# Altium PCB SPCB.PcbDoc
Units mm, origin at the board's own origin, x right, y up, seen from the top; angles counter-clockwise.
Board outline 150 x 100 mm, 2 copper layers (Top Layer, Bottom Layer); 65 components, 75 nets, 358 pads, 52 vias.
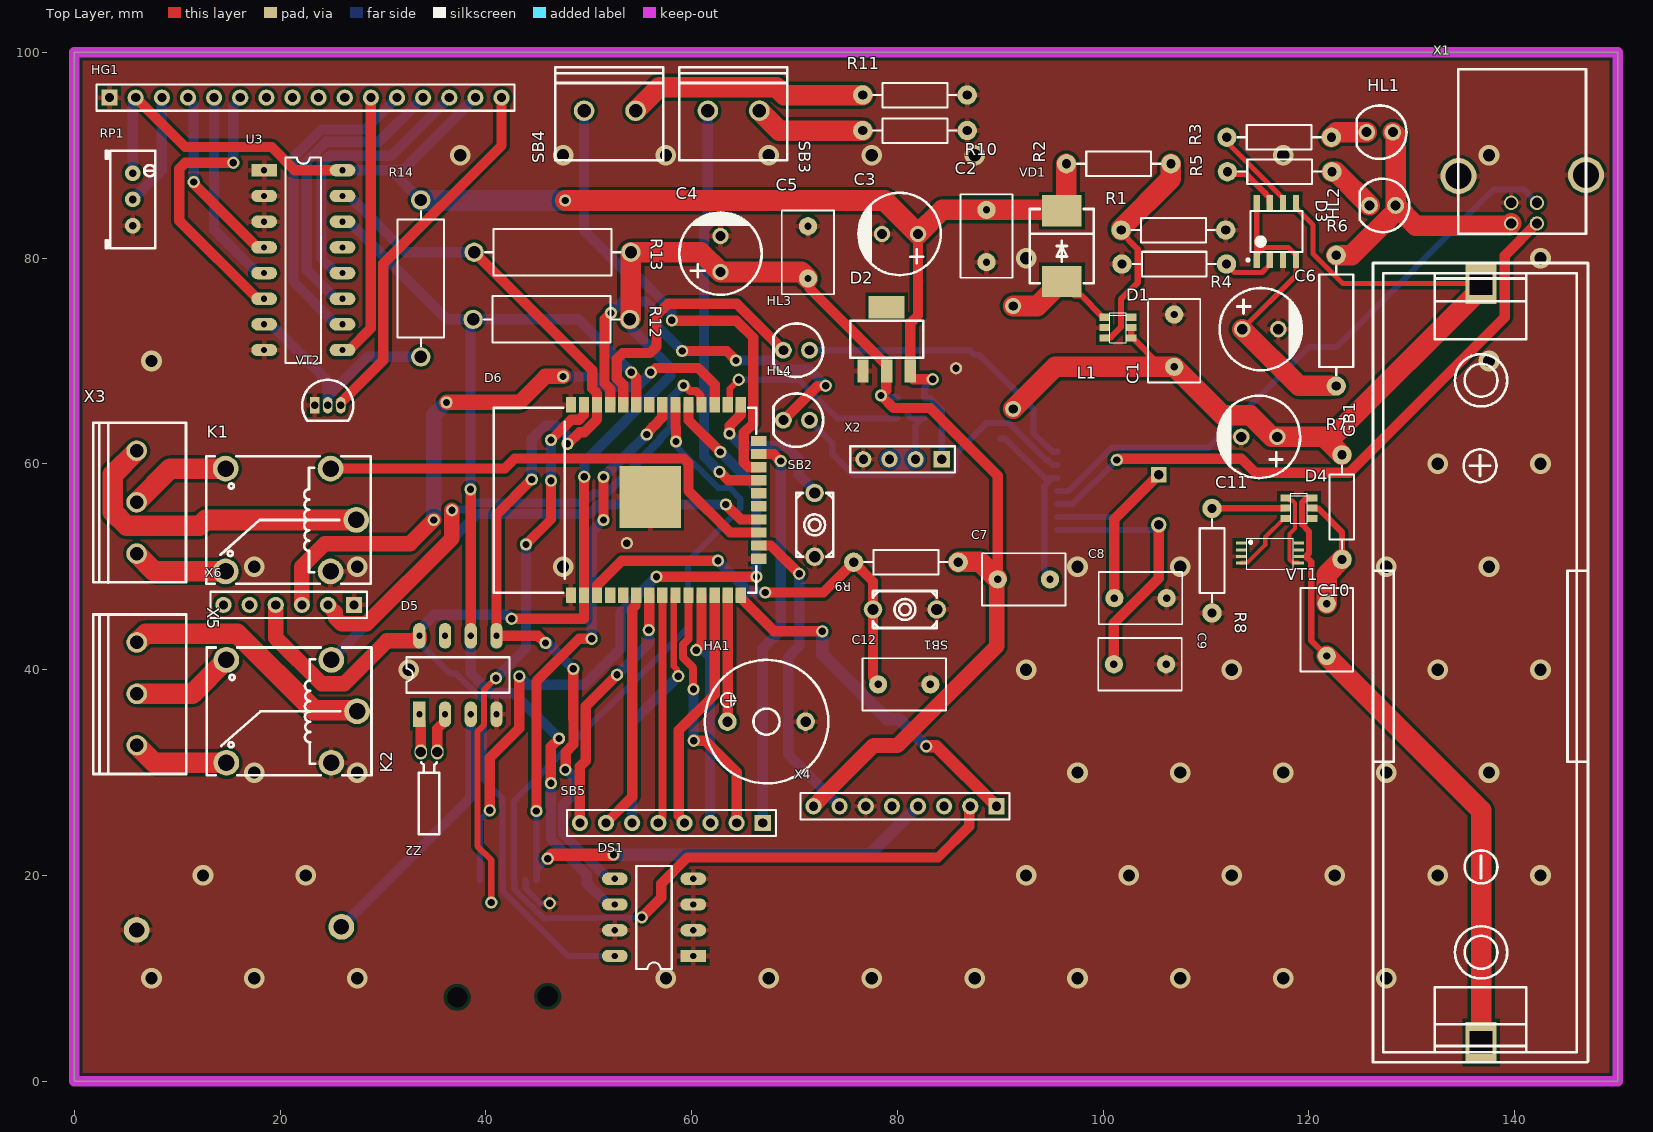
[diagram p0: Top Layer view]
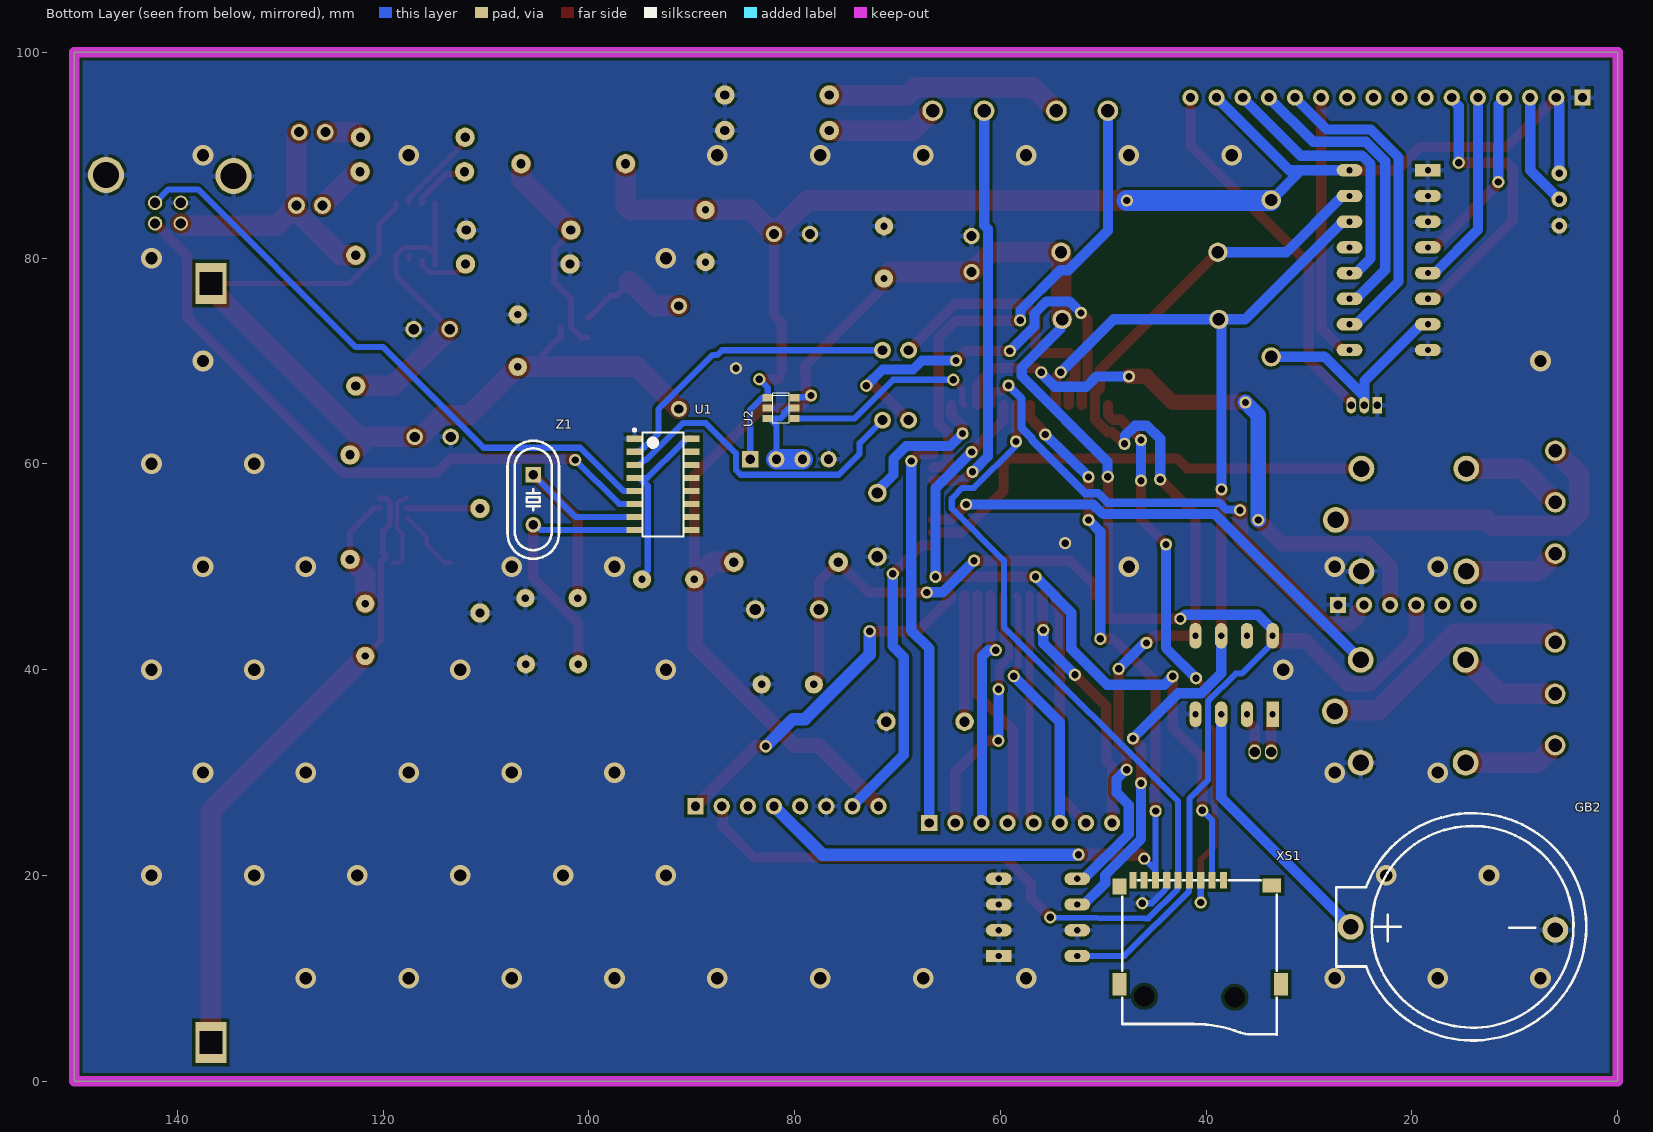
[diagram p1: Bottom Layer view, seen from below]
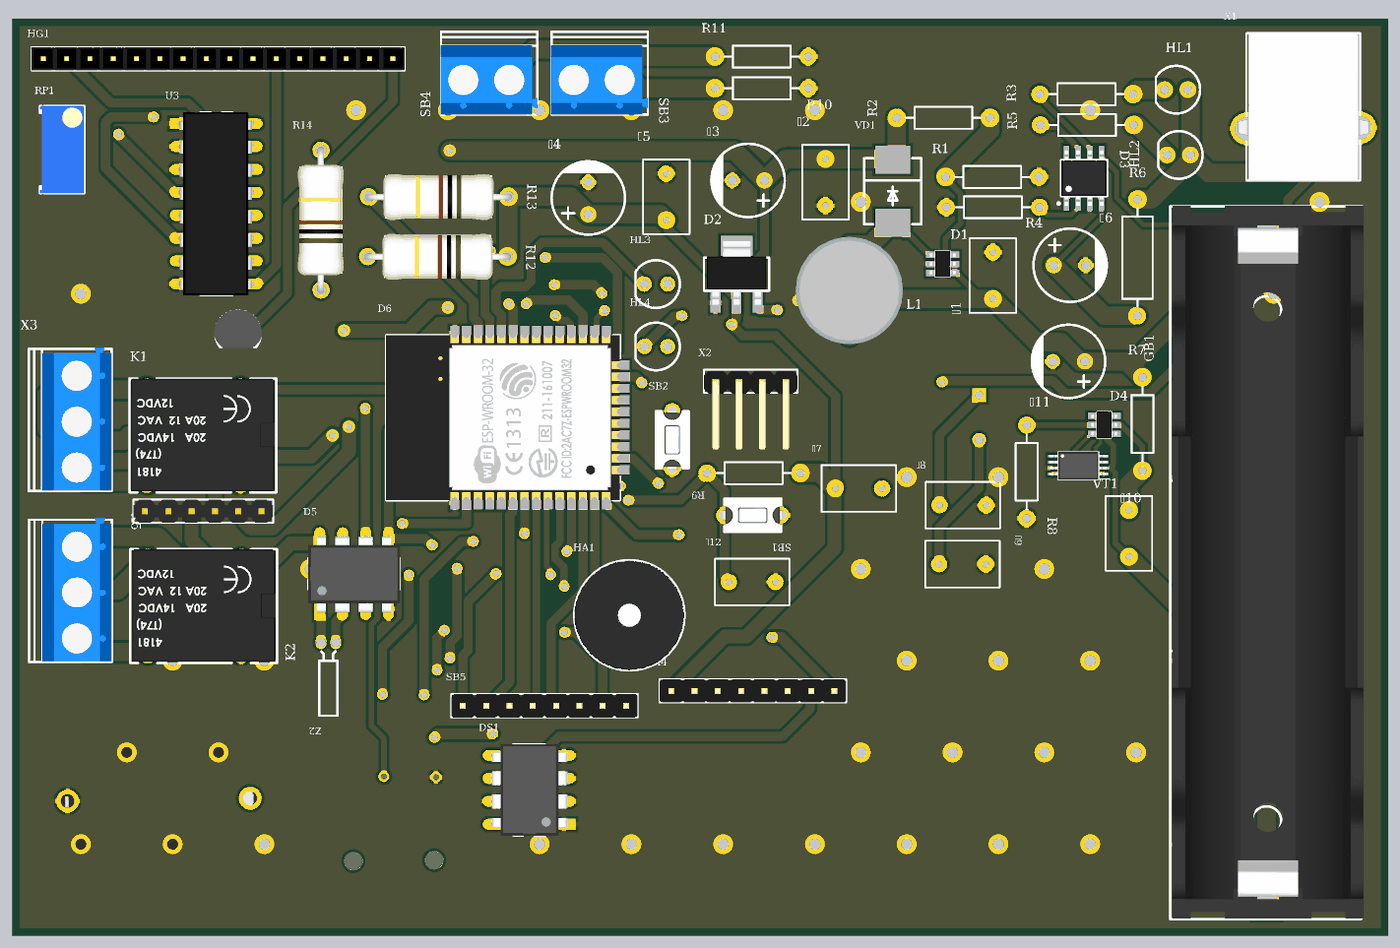
[diagram p2: 3D render of the assembled board from above, using the file's embedded part models]
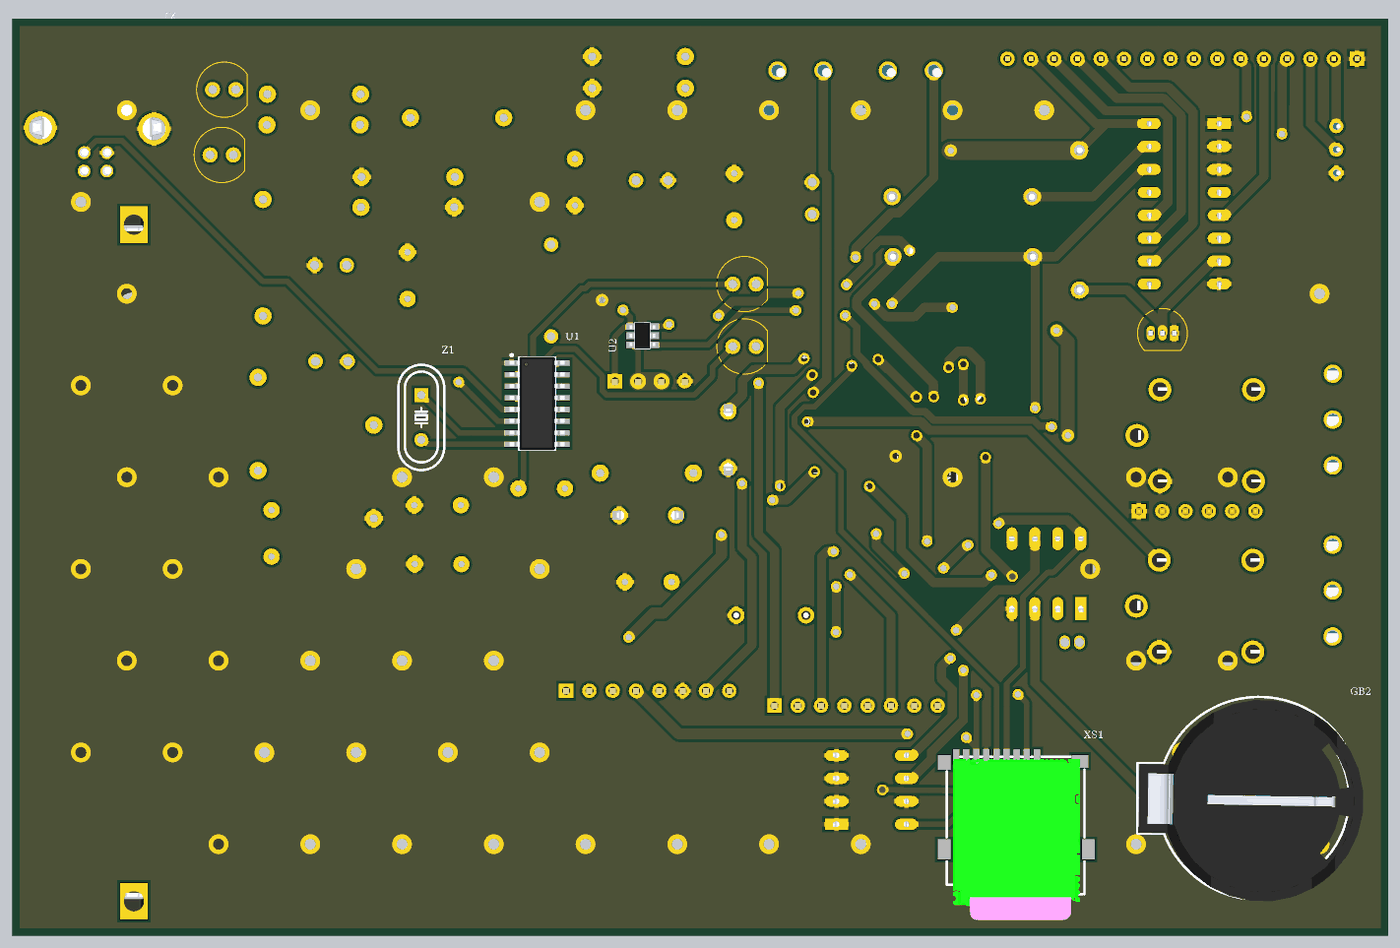
[diagram p3: 3D render of the assembled board from below, using the file's embedded part models]

## Layer stack, top to bottom
Top Solder: solder mask 0.0102, Solder Resist, Dk 3.5
Top Layer: signal copper 0.0356
Dielectric 1: dielectric 0.32, FR-4, Dk 4.8
Bottom Layer: signal copper 0.0356
Bottom Solder: solder mask 0.0102, Solder Resist, Dk 3.5

## Board outline
0,0 150,0 150,100 0,100

## Design rules (kind name [scope] priority, off if disabled: settings)
BoardOutlineClearance [All] p1: gap=0.3 ignorepadtopadclearanceinfootprint=FALSE
Clearance Clearance_MultiLayerPad [OnLayer('Multi-Layer') and IsPad] p1: gap=0.3 ignorepadtopadclearanceinfootprint=FALSE except(0: Arc-Hole Track-Hole SMDPad-Hole THPad-Hole Via-Hole Fill-Hole Poly-Hole Region-Hole Text-Hole)
Clearance Clearance_Polygon [InPolygon] p2: gap=0.2 ignorepadtopadclearanceinfootprint=FALSE except(0: Arc-Hole Track-Hole SMDPad-Hole THPad-Hole Via-Hole Fill-Hole Poly-Hole Region-Hole Text-Hole; 0.3: Arc-Poly Arc-Region Track-Poly Track-Region SMDPad-Poly SMDPad-Region THPad-Poly THPad-Region Via-Poly Via-Region Fill-Poly Fill-Region Poly-Poly Poly-Region Region-Region)
Clearance [All] p3: gap=0.2 ignorepadtopadclearanceinfootprint=FALSE except(0: Arc-Hole Track-Hole SMDPad-Hole THPad-Hole Via-Hole Fill-Hole Poly-Hole Region-Hole Text-Hole)
ComponentClearance [All] p1: gap=0.5 collisioncheckmode=3 verticalgap=0.5 showdistances=FALSE
DiffPairsRouting [All] p1: maxlimit=0.4 minlimit=0.2 mostfreqgap=0.2 toplayer_minwidth=0.2 toplayer_maxwidth=0.3 toplayer_prefwidth=0.2 bottomlayer_minwidth=0.2 bottomlayer_maxwidth=0.3 bottomlayer_prefwidth=0.2 maxuncoupledlength=12.7
Height [All] p1: minheight=0 maxheight=50 prefheight=12.7
HoleSize [All] p1: absolutevalues=TRUE maxlimit=10 minlimit=0.2 maxpercent=80.000 minpercent=20.000
HoleToHoleClearance [All] p1: gap=0.3 allowstackedmicrovias=TRUE
MinimumSolderMaskSliver [All] p1: minsoldermaskwidth=0.2
PlaneClearance [All] p1: clearance=0.5
PlaneConnect [All] p1: planeconnectstyle=Relief reliefexpansion=0.5 reliefentries=4 reliefconductorwidth=0.5 reliefairgap=0.3
PolygonConnect PolygonConnect_PadGND [InNet('GND') and IsPad] p1: connectstyle=Relief reliefconductorwidth=0.5 reliefentries=4 polygonreliefangle="90 Angle" airgapwidth=0.3
PolygonConnect PolygonConnect_Via [IsVia] p2: connectstyle=Direct reliefconductorwidth=0.254 reliefentries=4 polygonreliefangle="90 Angle" airgapwidth=0.254
PolygonConnect [All] p3: connectstyle=Relief reliefconductorwidth=0.5 reliefentries=4 polygonreliefangle="90 Angle" airgapwidth=0.3
RoutingTopology [All] p1: topology=Vertical
RoutingVias [All] p1: holewidth=0.2 width=0.4 viastyle="Through Hole" minholewidth=0.2 minwidth=0.4 maxholewidth=0.5 maxwidth=1.2
SilkToSolderMaskClearance [IsPad] p1: minsilkscreentomaskgap=0.2 clearancetoexposedcopper=TRUE
SolderMaskExpansion [All] p1: expansion=0.075 istentingtop=FALSE
Width [All] p1: maxlimit=10 minlimit=0.2 preferedwidth=0.2
20 further rules are at their usual default settings.

## Classes and differential pairs
net class K[0..7]: K0 K1 K2 K3 K4 K5 K6 K7
component class Sheet3: HG1 R14 RP1 SB5 U3 VT2 XS1
component class Sheet2: D5 D6 DS1 GB2 HA1 K1 K2 R9 R10 R11 R12 R13 SB1 SB2 SB3 SB4 U2 X2 X3 X4 X5 X6 Z2 С12
component class Sheet1: D1 D2 D3 D4 GB1 HL1 HL2 HL3 HL4 L1 R1 R2 R3 R4 R5 R6 R7 R8 U1 VD1 VT1 X1 Z1 С1 С2 С3 С4 С5 С6 С7 С8 С9 С10 С11

## Components (designator, comment, footprint, x,y, rotation, side; value= is the part's Value field where it differs from the comment)
D1 "MT3608" "U SOT-23-6" 101.425,73.25 r270 top
D2 "AMS1117-3.3" "U SOT-223" 79.05,72.175 r0 top
D3 "TP4056E" "U SOIC-8" 116.825,82.6 r90 top
D4 "DW01A" "U SOT-23-6" 119.025,55.7 r270 top
D5 "DS1307" "U DIP-8" 37.275,39.425 r90 top
D6 "ESP32-WROOM-32" "D ESP-WROOOM-32" 55.984,56.489 r90 top
DS1 "AT24C512PI27" "U DIP-8" 56.396,15.921 r180 top
GB1 "3.6V" "GB 18650" 137.136,40.179 r90 top
GB2 "3.3V" "GB CR2032" 15.45,15 r270 bottom
HA1 "TMB12A05" "HA TMB12A05" 67.275,34.95 r0 top
HG1 "LCD1602" "X PBS-16" 22.47,95.6 r0 top
HL1 "LED-Red" "HL LED-D5.0" 126.88,92.242 r270 top
HL2 "LED-Blue" "HL LED-D5.0" 127.15,85.125 r270 top
HL3 "LED-Red" "HL LED-D5.0" 70.18,71.05 r270 top
HL4 "LED-Blue" "HL LED-D5.0" 70.18,64.25 r270 top
K1 "SRA-05VDC-CL" "K SRA-05VDC-CL" 21.05,54.55 r180 top
K2 "SRA-05VDC-CL" "K SRA-05VDC-CL" 21.125,35.95 r180 top
L1 "22µH" "L D12" 91.25,70.35 r270 top
R1 "15k" "R AXIAL-0.25W" 106.825,82.725 r0 top
R2 "110k" "R AXIAL-0.25W" 101.5,89.175 r180 top
R3 "1k" "R AXIAL-0.25W" 117.1,91.75 r180 top
R4 "1.2k" "R AXIAL-0.25W" 106.9,79.425 r0 top
R5 "1k" "R AXIAL-0.25W" 117.15,88.4 r180 top
R6 "0.47" "R AXIAL-0.5W" 122.65,73.925 r270 top
R7 "100" "R AXIAL-0.25W" 123.2,55.8 r90 top
R8 "1k" "R AXIAL-0.25W" 110.575,50.595 r90 top
R9 "10k" "R AXIAL-0.25W" 80.825,50.45 r0 top
R10 "220" "R AXIAL-0.25W" 81.7,92.4 r180 top
R11 "220" "R AXIAL-0.25W" 81.7,95.85 r180 top
R12 "4.7k" "R AXIAL-1W" 46.375,74.05 r0 top
R13 "4.7k" "R AXIAL-1W" 46.475,80.575 r0 top
R14 "4.7k" "R AXIAL-1W" 33.675,78.025 r270 top
RP1 "10k" "R ADJ-3296W" 5.675,85.7 r0 top
SB1 "TC-0120" "SB 3.5x6" 80.725,45.85 r180 top
SB2 "TC-0120" "SB 3.5x6" 71.95,54.075 r270 top
SB3 "TC-0120" "X 301-021-12" 64.314,93.193 r0 top
SB4 "TC-0120" "X 301-021-12" 52.281,93.193 r0 top
SB5 "Матричная Клавиатура 4x4" "X PLS-8" 58.045,25.1 r180 top
U1 "CH340G" "U SOIC-16" 92.775,58.04 r180 bottom
U2 "SN74LVC1T45" "U SOT-23-6" 81.3,65.425 r270 bottom
U3 "PCF8574P" "U DIP-16" 22.2,79.8 r0 top
VD1 "SS34" "VD DO-214AB" 95.975,81.175 r90 top
VT1 "FS8205A" "U TSSOP-8" 116.2,51.25 r0 top
VT2 "SS8050" "VT TO-92" 24.625,65.7 r0 top
X1 "USBB-1J" "X USBB-1J" 140.725,90.375 r270 top
X2 "PLS-4" "X PLS-4R" 80.495,60.45 r180 top
X3 "306-031-12" "X 301-031-12" 6.35,56.275 r90 top
X4 "PLS-8" "X PLS-8" 80.75,26.725 r180 top
X5 "306-031-12" "X 301-031-12" 6.375,37.65 r90 top
X6 "PLS-6" "X PLS-6" 20.834,46.293 r180 top
XS1 "microSD" "X microSD" 41.2,12.55 r270 bottom
Z1 "12MHz" "Z HC-49" 105.4,56.513 r270 bottom
Z2 "32.768kHz" "Z DT-26" 34.475,31 r180 top
С1 "22µF" "C USSR 0.2" 106.9,71.975 r270 top
С2 "22µF" "C USSR 0.2" 88.654,82.151 r90 top
С3 "100µF" "C D8" 80.25,82.35 r180 top
С4 "470µF" "C D8" 62.8,80.4 r90 top
С5 "0.1µF" "C USSR 0.2" 71.3,80.56 r90 top
С6 "10µF" "C D8" 115.275,73.1 r0 top
С7 "0.1µF" "C USSR 0.2" 92.285,48.775 r180 top
С8 "22pF" "C USSR 0.2" 103.625,46.95 r180 top
С9 "22pF" "C USSR 0.2" 103.575,40.525 r180 top
С10 "0.1µF" "C USSR 0.2" 121.725,43.875 r270 top
С11 "10µF" "C D8" 115.175,62.625 r180 top
С12 "0.1µF" "C USSR 0.2" 80.66,38.575 r180 top

## Footprints (in the part's own frame and the unit in brackets; to place one, negate y for a bottom-side part, rotate by r counter-clockwise, add the part's x,y. Pads: shape width x height; smd on the part's side, far side on the other; paste and mask are expansions set on the pad)
"C D8" [mm]
  round 1.6 hole 1: 1(-1.75,0) 2(1.75,0)
  silkscreen extent -3.96,-4 4.04,4, body extent -3.93,-4.13 4.13,3.93, height 12.03
"C USSR 0.2" [mil]
  round 70 hole 28: 1(100,0) 2(-100,0)
  silkscreen extent -160,-100 160,100, body extent -119,-75 118,75, height 335
"D ESP-WROOOM-32" [mil]
  rect 59.1x39.4 smd: 1(-364.19,304) 2(-364.19,254) 3(-364.19,204) 4(-364.19,154) 5(-364.19,104) 6(-364.19,54) 7(-364.19,4) 8(-364.19,-46) 9(-364.19,-96) 10(-364.19,-146) 11(-364.19,-196) 12(-364.19,-246) 13(-364.19,-296) 14(-364.19,-346) 25(363.81,-346) 26(363.81,-296) 27(363.81,-246) 28(363.81,-196) 29(363.81,-146) 30(363.81,-96) 31(363.81,-46) 32(363.81,4) 33(363.81,54) 34(363.81,104) 35(363.81,154) 36(363.81,204) 37(363.81,254) 38(363.81,304)
  rect 236.2x236.2 smd: 1(11.81,0)
  rect 39.4x59.1 smd: 15(-224.19,-415) 16(-174.19,-415) 17(-124.19,-415) 18(-74.19,-415) 19(-24.19,-415) 20(25.81,-415) 21(75.81,-415) 22(125.81,-415) 23(175.81,-415) 24(225.81,-415)
  silkscreen extent -354,-405 354,599, body extent -354,-404 354,600, height 118
"GB 18650" [mm]
  rect 4x3 hole 2.2 square: 1(-36.404,0.411) 2(37.346,0.411)
  silkscreen extent -38.35,-9.99 39.35,10.91, body extent -38.26,-10.15 39.38,10.65, height 21.75
"GB CR2032" [mm]
  round 2.5 hole 1.5: 1(0.3,9.4) 2(0,-10.5)
  silkscreen extent -11.05,-11.9 11.04,12.4, body extent -10.98,-11.94 11.44,12.94, height 3.5
"HA TMB12A05" [mm]
  round 1.8 hole 1: 1(-3.8,0) 2(3.8,0)
  silkscreen extent -6,-6 6,6, body extent -6,-6 6,6, height 9.6
"HL LED-D5.0" [mil]
  round 65 hole 38: 1(0,50) 2(0,-50)
  silkscreen extent -102,-88 102,102, body extent -114,-97 114,115, height 354
"K SRA-05VDC-CL" [mm]
  round 2.5 hole 1.6: 1(-3.851,5) 2(-3.851,-5) 3(-6.35,-0.001) 4(6.35,5) 5(6.35,-5)
  silkscreen extent -7.75,-6.2 8.25,6.2, body extent -7.57,-6.2 8.12,6.1, height 13.76
"L D12" [mil]
  round 62 hole 35: 1(-196.85,0) 2(196.85,0)
  body extent -230,-230 230,230, height 512
"R ADJ-3296W" [mil]
  round 60 hole 30: 1(0,100.4) 2(0,0.4) 3(0,-100.39)
  silkscreen extent -104,-187 87,187, body extent -105,-188 85,188, height 455
"R AXIAL-0.5W" [mil]
  round 74 hole 35.4: 1(-250,0) 2(250,0)
  silkscreen extent -210,-65 210,65, body extent -265,-74 265,74, height 153
"R AXIAL-0.25W" [mil]
  round 74 hole 35.4: 1(-200,0) 2(200,0)
  silkscreen extent -159,-47 159,47, body extent -212,-47 212,47, height 95
"R AXIAL-1W" [mil]
  round 74 hole 47.2: 1(-300,0) 2(300,0)
  silkscreen extent -259,-89 260,89, body extent -314,-100 314,97, height 197
"SB 3.5x6" [mm]
  round 1.8 hole 1.1: 1(-3.1,0) 2(3.1,0)
  silkscreen extent -3.1,-1.8 3.1,1.8, body extent -3.88,-1.75 3.88,1.75, height 4.3
"U DIP-8" [mm]
  rect 2.5x1.2 hole 0.6: 1(-3.754,3.746)
  oval 2.5x1.2 hole 0.6: 2(-3.754,1.246) 3(-3.754,-1.254) 4(-3.754,-3.754) 5(3.866,-3.754) 6(3.866,-1.254) 7(3.866,1.246) 8(3.866,3.746)
  silkscreen extent -1.67,-5 1.78,5, body extent -4.13,-5 4.13,5, height 5.1
"U DIP-16" [mm]
  rect 2.5x1.2 hole 0.6: 1(-3.754,8.746)
  oval 2.5x1.2 hole 0.6: 2(-3.754,6.246) 3(-3.754,3.746) 4(-3.754,1.246) 5(-3.754,-1.254) 6(-3.754,-3.754) 7(-3.754,-6.229) 8(-3.754,-8.729) 9(3.866,-8.729) 10(3.866,-6.229) 11(3.866,-3.754) 12(3.866,-1.254) 13(3.866,1.246) 14(3.866,3.746) 15(3.866,6.246) 16(3.866,8.746)
  silkscreen extent -1.67,-10 1.78,10, body extent -3.93,-10 3.94,10, height 5.1
"U SOIC-8" [mm]
  rect 1.55x0.6 smd: 1(-2.775,1.905) 2(-2.775,0.635) 3(-2.775,-0.635) 4(-2.775,-1.905) 5(2.775,-1.905) 6(2.775,-0.635) 7(2.775,0.635) 8(2.775,1.905)
  silkscreen extent -2.9,-2.53 1.99,2.88, body extent -3,-2.45 3,2.45, height 1.75
"U SOIC-16" [mm]
  rect 1.55x0.6 smd: 1(-2.775,4.405) 2(-2.775,3.135) 3(-2.775,1.865) 4(-2.775,0.595) 5(-2.775,-0.665) 6(-2.775,-1.935) 7(-2.775,-3.205) 8(-2.775,-4.455) 9(2.775,-4.455) 10(2.775,-3.205) 11(2.775,-1.935) 12(2.775,-0.665) 13(2.775,0.595) 14(2.775,1.865) 15(2.775,3.135) 16(2.775,4.405)
  silkscreen extent -2.9,-5.07 1.99,5.38, body extent -3,-5.1 3,5.1, height 1.7
"U SOT-23-6" [mm]
  rect 0.7x1 smd: 1(-1,-1.3) 2(0,-1.3) 3(1,-1.3) 4(1,1.3) 5(0,1.3) 6(-1,1.3)
  silkscreen extent -1.45,-0.8 1.45,0.8, body extent -1.45,-1.4 1.45,1.4, height 1.18
"U SOT-223" [mm]
  rect 1.1x2.2 smd: 1(-2.395,-3.149) 2(-0.095,-3.149) 3(2.205,-3.149)
  rect 3.5x2.2 smd: 4(-0.095,3.049)
  silkscreen extent -3.64,-1.85 3.45,1.75, body extent -3.32,-3.39 3.17,3.57, height 1.7
"U TSSOP-8" [mm]
  rect 1x0.3 smd: 1(-2.8,1.05) 2(-2.8,0.4) 3(-2.8,-0.25) 4(-2.8,-0.9) 5(2.8,-0.9) 6(2.8,-0.25) 7(2.8,0.4) 8(2.8,1.05)
  silkscreen extent -2.25,-1.5 2.25,1.5, body extent -3.14,-1.5 3.14,1.5, height 1.19
"VD DO-214AB" [mm]
  rect 3.03x3.82 smd: 1(-3.435,0) 2(3.435,0)
  silkscreen extent -3.6,-3.11 3.6,3.11, body extent -3.97,-2.95 3.97,2.95, height 2.45
"VT TO-92" [mm]
  rect 0.9x1.6 hole 0.7: 1(-1.27,0)
  oval 0.9x1.6 hole 0.7: 2(0,0) 3(1.27,0)
  silkscreen extent -2.48,-1.5 2.48,2.48, body extent -2.61,-1.6 2.61,2.6, height 6
"X 301-021-12" [mm]
  round 2 hole 1.3: 1(-2.739,1.132) 2(2.269,1.132)
  silkscreen extent -5.53,-3.67 4.97,5.36, body extent -5.6,-3.7 5,3.9, height 10
"X 301-031-12" [mm]
  round 2 hole 1.3: 1(-5,0.3) 2(0,0.3) 3(5,0.3)
  silkscreen extent -7.8,-4.5 7.71,4.53, body extent -7.73,-4.5 7.87,3.1, height 10
"X microSD" [mil]
  rect 63x27.6 smd: 1(-274.92,114.02) 2(-274.92,70.02) 3(-274.92,27.02) 4(-274.92,-15.98) 5(-274.92,-59.98) 6(-274.92,-102.98) 7(-274.92,-145.98) 8(-274.92,-189.98) 9(-274.92,-232.98)
  rect 63x55.1 smd: G1(-250.92,-283.98)
  rect 86.6x55.1 smd: G2(123.08,-283.98) G3(123.08,334.02)
  rect 55.1x70.9 smd: G4(-254.92,299.02)
  round 0 hole 78.74: ""(169.29,-188.98)
  round 3.94 hole 78.74: ""(173.23,157.48)
  silkscreen extent -275,-273 316,318, body extent -266,-246 425,299, height 85